# KiCad board conceptpcb.kicad_pcb (continued)
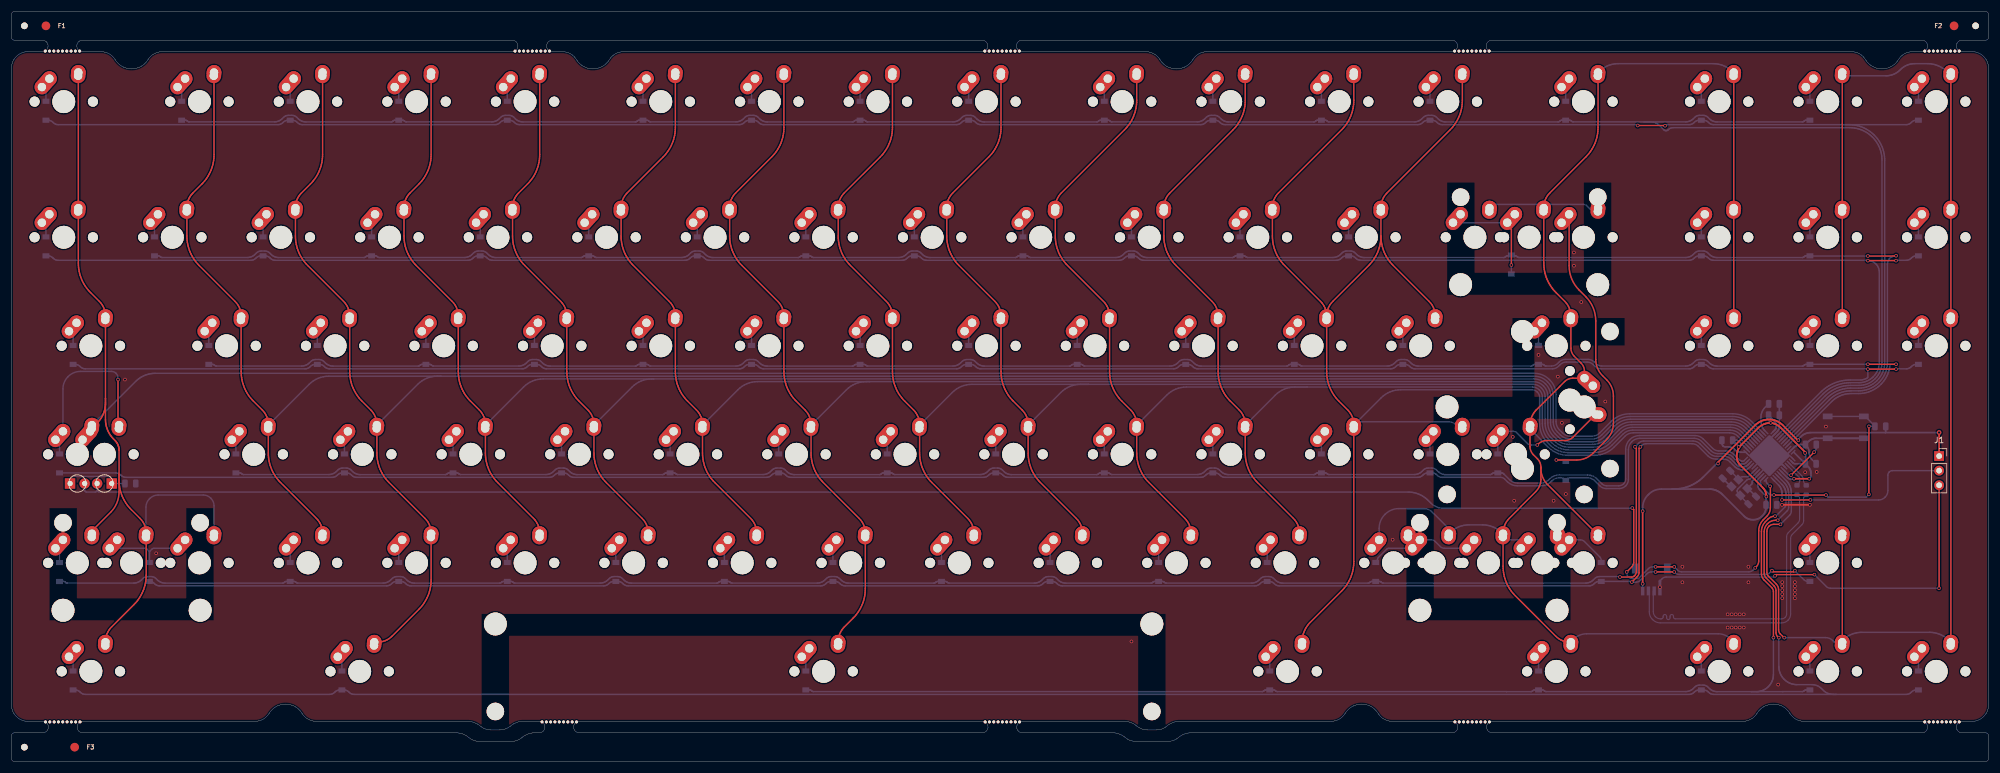
[diagram p0: board, top side]
## Routing (per net, layer and track width the routed paths; a pad name or vN(x,y) marks a point on that pad's centre or on a via; arc(x,y) is an arc through that point) (continued)
Net-(D1-K): length 10.2
  Bottom w0.25: R2.2 D1#2.1 ; 17.46,49.07 arc(17.42,49.26) 17.31,49.42 17.23,49.5 arc(17.07,49.61) 16.88,49.65 10.8,49.65 arc(10.61,49.61) 10.44,49.5 10.34,49.39 arc(10.23,49.23) 10.19,49.04
Net-(D2-A): length 1.8
  Bottom w0.25: D2.2 6,116.75
Net-(D3-A): length 1.8
  Bottom w0.25: D3.2 29.63,116.75
Net-(D4-A): length 1.8
  Bottom w0.25: D4.2 48.53,116.75
Net-(D5-A): length 1.8
  Bottom w0.25: D5.2 67.43,116.75
Net-(D6-A): length 1.8
  Bottom w0.25: D6.2 86.33,116.75
Net-(D7-A): length 1.8
  Bottom w0.25: D7.2 109.95,116.75
Net-(D8-A): length 1.8
  Bottom w0.25: D8.2 128.85,116.75
Net-(D9-A): length 1.8
  Bottom w0.25: D9.2 147.75,116.75
Net-(D10-A): length 1.8
  Bottom w0.25: D10.2 166.65,116.75
Net-(D11-A): length 1.8
  Bottom w0.25: D11.2 190.28,116.75
Net-(D12-A): length 1.8
  Bottom w0.25: D12.2 209.18,116.75
Net-(D13-A): length 1.8
  Bottom w0.25: D13.2 228.08,116.75
Net-(D14-A): length 1.8
  Bottom w0.25: D14.2 246.98,116.75
Net-(D15-A): length 1.8
  Bottom w0.25: D15.2 270.6,116.75
Net-(D16-A): length 1.8
  Bottom w0.25: D16.2 294.23,116.75
Net-(D17-A): length 1.8
  Bottom w0.25: D17.2 313.13,116.75
Net-(D18-A): length 1.8
  Bottom w0.25: D18.2 332.03,116.75
Net-(D19-A): length 1.8
  Bottom w0.25: D19.2 6,93.13
Net-(D20-A): length 1.8
  Bottom w0.25: D20.2 24.9,93.13
Net-(D21-A): length 1.8
  Bottom w0.25: D21.2 43.8,93.13
Net-(D22-A): length 1.8
  Bottom w0.25: D22.2 62.7,93.13
Net-(D23-A): length 1.8
  Bottom w0.25: D23.2 81.6,93.13
Net-(D24-A): length 1.8
  Bottom w0.25: D24.2 100.5,93.13
Net-(D25-A): length 1.8
  Bottom w0.25: D25.2 119.4,93.13
Net-(D26-A): length 1.8
  Bottom w0.25: D26.2 138.3,93.13
Net-(D27-A): length 1.8
  Bottom w0.25: D27.2 157.2,93.13
Net-(D28-A): length 1.8
  Bottom w0.25: D28.2 176.1,93.13
Net-(D29-A): length 1.8
  Bottom w0.25: D29.2 195,93.13
Net-(D30-A): length 1.8
  Bottom w0.25: D30.2 213.9,93.13
Net-(D31-A): length 1.8
  Bottom w0.25: D31.2 232.8,93.13
Net-(D32-A): length 18.2
  Top w0.25: 260.44,93.38 261.15,92.67 v1(261.15,86.47)
  Bottom w0.25: 260.44,93.84 MX_backspace_2.1 ; v1(261.15,86.47) D32.2
Net-(D33-A): length 1.8
  Bottom w0.25: D33.2 294.23,93.13
Net-(D34-A): length 1.8
  Bottom w0.25: D34.2 313.13,93.13
Net-(D35-A): length 1.8
  Bottom w0.25: D35.2 332.03,93.13
Net-(D36-A): length 1.8
  Bottom w0.25: D36.2 10.73,74.23
Net-(D37-A): length 1.8
  Bottom w0.25: D37.2 34.35,74.23
Net-(D38-A): length 1.8
  Bottom w0.25: D38.2 53.25,74.23
Net-(D39-A): length 1.8
  Bottom w0.25: D39.2 72.15,74.23
Net-(D40-A): length 1.8
  Bottom w0.25: D40.2 91.05,74.23
Net-(D41-A): length 1.8
  Bottom w0.25: D41.2 109.95,74.23
Net-(D42-A): length 1.8
  Bottom w0.25: D42.2 128.85,74.23
Net-(D43-A): length 1.8
  Bottom w0.25: D43.2 147.75,74.23
Net-(D44-A): length 1.8
  Bottom w0.25: D44.2 166.65,74.23
Net-(D45-A): length 1.8
  Bottom w0.25: D45.2 185.55,74.23
Net-(D46-A): length 1.8
  Bottom w0.25: D46.2 204.45,74.23
Net-(D47-A): length 1.8
  Bottom w0.25: D47.2 223.35,74.23
Net-(D48-A): length 1.8
  Bottom w0.25: D48.2 242.25,74.23
Net-(D49-A): length 1.8
  Bottom w0.25: D49.2 265.88,74.23
Net-(D50-A): length 1.8
  Bottom w0.25: D50.2 294.23,74.23
Net-(D51-A): length 1.8
  Bottom w0.25: D51.2 313.13,74.23
Net-(D52-A): length 1.8
  Bottom w0.25: D52.2 332.03,74.23
Net-(D53-A): length 29.5
  Top w0.25: 18.55,58.14 v1(18.55,66.52)
  Bottom w0.25: MX50.1 8.96,64.9 arc(9.19,66.05) 9.84,67.02 9.88,67.06 arc(10.86,67.71) 12,67.94 17.41,67.94 arc(17.83,67.86) 18.19,67.62 18.23,67.58 arc(18.47,67.22) 18.55,66.8 ; D53.2 8.36,55.33
Net-(D54-A): length 1.8
  Bottom w0.25: D54.2 39.08,55.33
Net-(D55-A): length 1.8
  Bottom w0.25: D55.2 57.98,55.33
Net-(D56-A): length 1.8
  Bottom w0.25: D56.2 76.88,55.33
Net-(D57-A): length 1.8
  Bottom w0.25: D57.2 95.78,55.33
Net-(D58-A): length 1.8
  Bottom w0.25: D58.2 114.68,55.33
Net-(D59-A): length 1.8
  Bottom w0.25: D59.2 133.58,55.33
Net-(D60-A): length 1.8
  Bottom w0.25: D60.2 152.48,55.33
Net-(D61-A): length 1.8
  Bottom w0.25: D61.2 171.38,55.33
Net-(D62-A): length 1.8
  Bottom w0.25: D62.2 190.28,55.33
Net-(D63-A): length 1.8
  Bottom w0.25: D63.2 209.18,55.33
Net-(D64-A): length 1.8
  Bottom w0.25: D64.2 228.08,55.33
Net-(D65-A): length 21
  Top w0.25: v1(265.66,55.12) 265.86,55.32 arc(266.51,55.76) 267.28,55.91 270.47,55.91 arc(271.23,56.06) 271.88,56.49 MX_enter2.1
  Bottom w0.25: D65.2 258.79,55.33 ; v1(265.66,55.12) 264.66,55.12 arc(264.28,55.19) 263.95,55.41 262.15,57.21 arc(261.83,57.42) 261.45,57.5 259.57,57.5
Net-(D66-A): length 53.6
  Top w0.25: MX_backspace_3.1 271.2,86.34 arc(271.66,84.05) 272.96,82.1 274.08,80.97 arc(275.38,79.03) 275.84,76.73 275.84,70.03 arc(276.15,68.5) 277.01,67.2 277.75,66.47 arc(278.61,65.17) 278.92,63.64 278.92,58.9 arc(278.61,57.37) 277.75,56.08 275.36,53.68 arc(274.06,52.82) 272.53,52.51 v1(268.98,52.51)
  Bottom w0.25: v1(268.98,52.51) 268.98,52.51 270.63,52.51
Net-(D67-A): length 15.3
  Bottom w0.25: MX_LSHIFT2.1 24.81,37.14 arc(24.62,37.1) 24.46,36.99 24.16,36.7 arc(24.05,36.53) 24.01,36.34 ; D67.2 24.01,35.38 ; 24.01,35.38 24.01,36.34 ; 24.01,35.38 24.01,36.34 ; 24.01,36.34 arc(23.97,36.53) 23.87,36.7 23.57,36.99 arc(23.41,37.1) 23.21,37.14 MX63.1
Net-(D68-A): length 1.8
  Bottom w0.25: D68.2 48.53,36.43
Net-(D69-A): length 1.8
  Bottom w0.25: D69.2 67.43,36.43
Net-(D70-A): length 1.8
  Bottom w0.25: D70.2 86.33,36.43
Net-(D71-A): length 1.8
  Bottom w0.25: D71.2 105.23,36.43
Net-(D72-A): length 1.8
  Bottom w0.25: D72.2 124.13,36.43
Net-(D73-A): length 1.8
  Bottom w0.25: D73.2 143.03,36.43
Net-(D74-A): length 1.8
  Bottom w0.25: D74.2 161.93,36.43
Net-(D75-A): length 1.8
  Bottom w0.25: D75.2 180.83,36.43
Net-(D76-A): length 1.8
  Bottom w0.25: D76.2 199.73,36.43
Net-(D77-A): length 1.8
  Bottom w0.25: D77.2 218.63,36.43
Net-(D78-A): length 15.8
  Bottom w0.25: MX_splitrshift1.1 247.2,38.6 arc(247.58,38.52) 247.9,38.31 248.78,37.43 arc(249.1,37.22) 249.48,37.14 MX_rshift1.1 ; 237.83,34.97 237.83,35.17 arc(237.87,35.36) 237.98,35.52 239.45,36.99 arc(239.61,37.1) 239.8,37.14 MX_splitrshift1.1
Net-(D79-A): length 7.3
  Bottom w0.25: MX_splitrshift2.1 273.17,38.6 arc(273.55,38.52) 273.87,38.31 276.51,35.67 arc(276.73,35.35) 276.8,34.96
Net-(D80-A): length 1.8
  Bottom w0.25: D80.2 313.13,36.43
Net-(D81-A): length 1.8
  Bottom w0.25: D81.2 10.73,17.53
Net-(D82-A): length 3.3
  Bottom w0.25: D82.2 246.98,56.9
Net-(D83-A): length 1.8
  Bottom w0.25: D83.2 57.53,17.53
Net-(D84-A): length 1.8
  Bottom w0.25: D84.2 138.3,17.53
Net-(D85-A): length 1.8
  Bottom w0.25: D85.2 219.08,17.53
Net-(D86-A): length 2.8
  Bottom w0.25: MX_LSHIFT23.1 8.36,36.43 D86.2
Net-(D87-A): length 1.8
  Bottom w0.25: D87.2 265.88,17.53
Net-(D88-A): length 1.8
  Bottom w0.25: D88.2 294.23,17.53
Net-(D89-A): length 1.8
  Bottom w0.25: D89.2 313.13,17.53
Net-(D90-A): length 1.8
  Bottom w0.25: D90.2 332.03,17.53
Net-(U1-D+): length 4.3
  Bottom w0.2: U1.4 311.23,49.54 arc(311.33,49.38) 311.37,49.19 311.37,49 arc(311.3,48.62) 311.08,48.3
Net-(U1-D-): length 4.8
  Bottom w0.2: U1.3 311.71,49.77 arc(311.92,49.44) 312,49.06 312,49 arc(312.08,48.62) 312.29,48.29
Net-(U1-UCAP): length 8.5
  Top w0.25: 309.8,49.81 v1(313.86,53.88)
  Bottom w0.25: 314.23,54.75 314.22,54.59 314.19,54.44 314.14,54.29 314.07,54.14 313.98,54.01 313.88,53.89 v1(313.86,53.88) ; U1.6 309.49,49.87 v1(309.83,49.87)
Net-(U1-~{HWB}/PE2): length 5.3
  Bottom w0.25: R5.2 305.31,61.67 305.15,61.49 305.01,61.3 304.89,61.1 304.79,60.88 304.71,60.66 304.65,60.43 304.61,60.19 304.6,59.96 304.6,59.29 304.61,59.05 304.65,58.82 304.71,58.59 304.79,58.36 304.89,58.15 305.01,57.95 305.15,57.76 305.31,57.58
Net-(U1-~{RESET}): length 43
  Top w0.25: v1(306.87,46.41) v1(315.92,46.41) ; v1(323.41,58.37) v1(323.39,46.52)
  Bottom w0.25: 322.78,60.1 324.36,58.52 ; v1(306.87,46.41) 306.42,46.41 arc(306.22,46.45) 306.06,46.56 304.86,47.76 304.78,47.85 304.71,47.94 304.65,48.04 304.6,48.15 304.56,48.26 304.53,48.38 304.51,48.5 304.51,48.61 304.51,48.87 U1.13 ; R1.2 v1(323.41,58.37) ; v1(315.92,46.41) 316.29,46.04 322.92,46.04 v1(323.39,46.52) ; 316.12,60.1 322.43,60.1

## Copper pours and planes (outline as drawn; the poured copper is in the pictures)
GND on Top, Bottom: 356.83,-8.66 -6.39,-8.66 -6.39,131.04 356.83,131.04

## Text on the board
B.Fab: SOLIDWORKS Educational Product. | For Instructional Use Only.
B.Silkscreen: C80-3000HCALLA | K1 | MX/Alps SD PCB
